# Allegro board 1156197-TDI_VU3P_QSFP28_CXP_V001_1023A-166-20241121_1644_PCB.brd (continued)
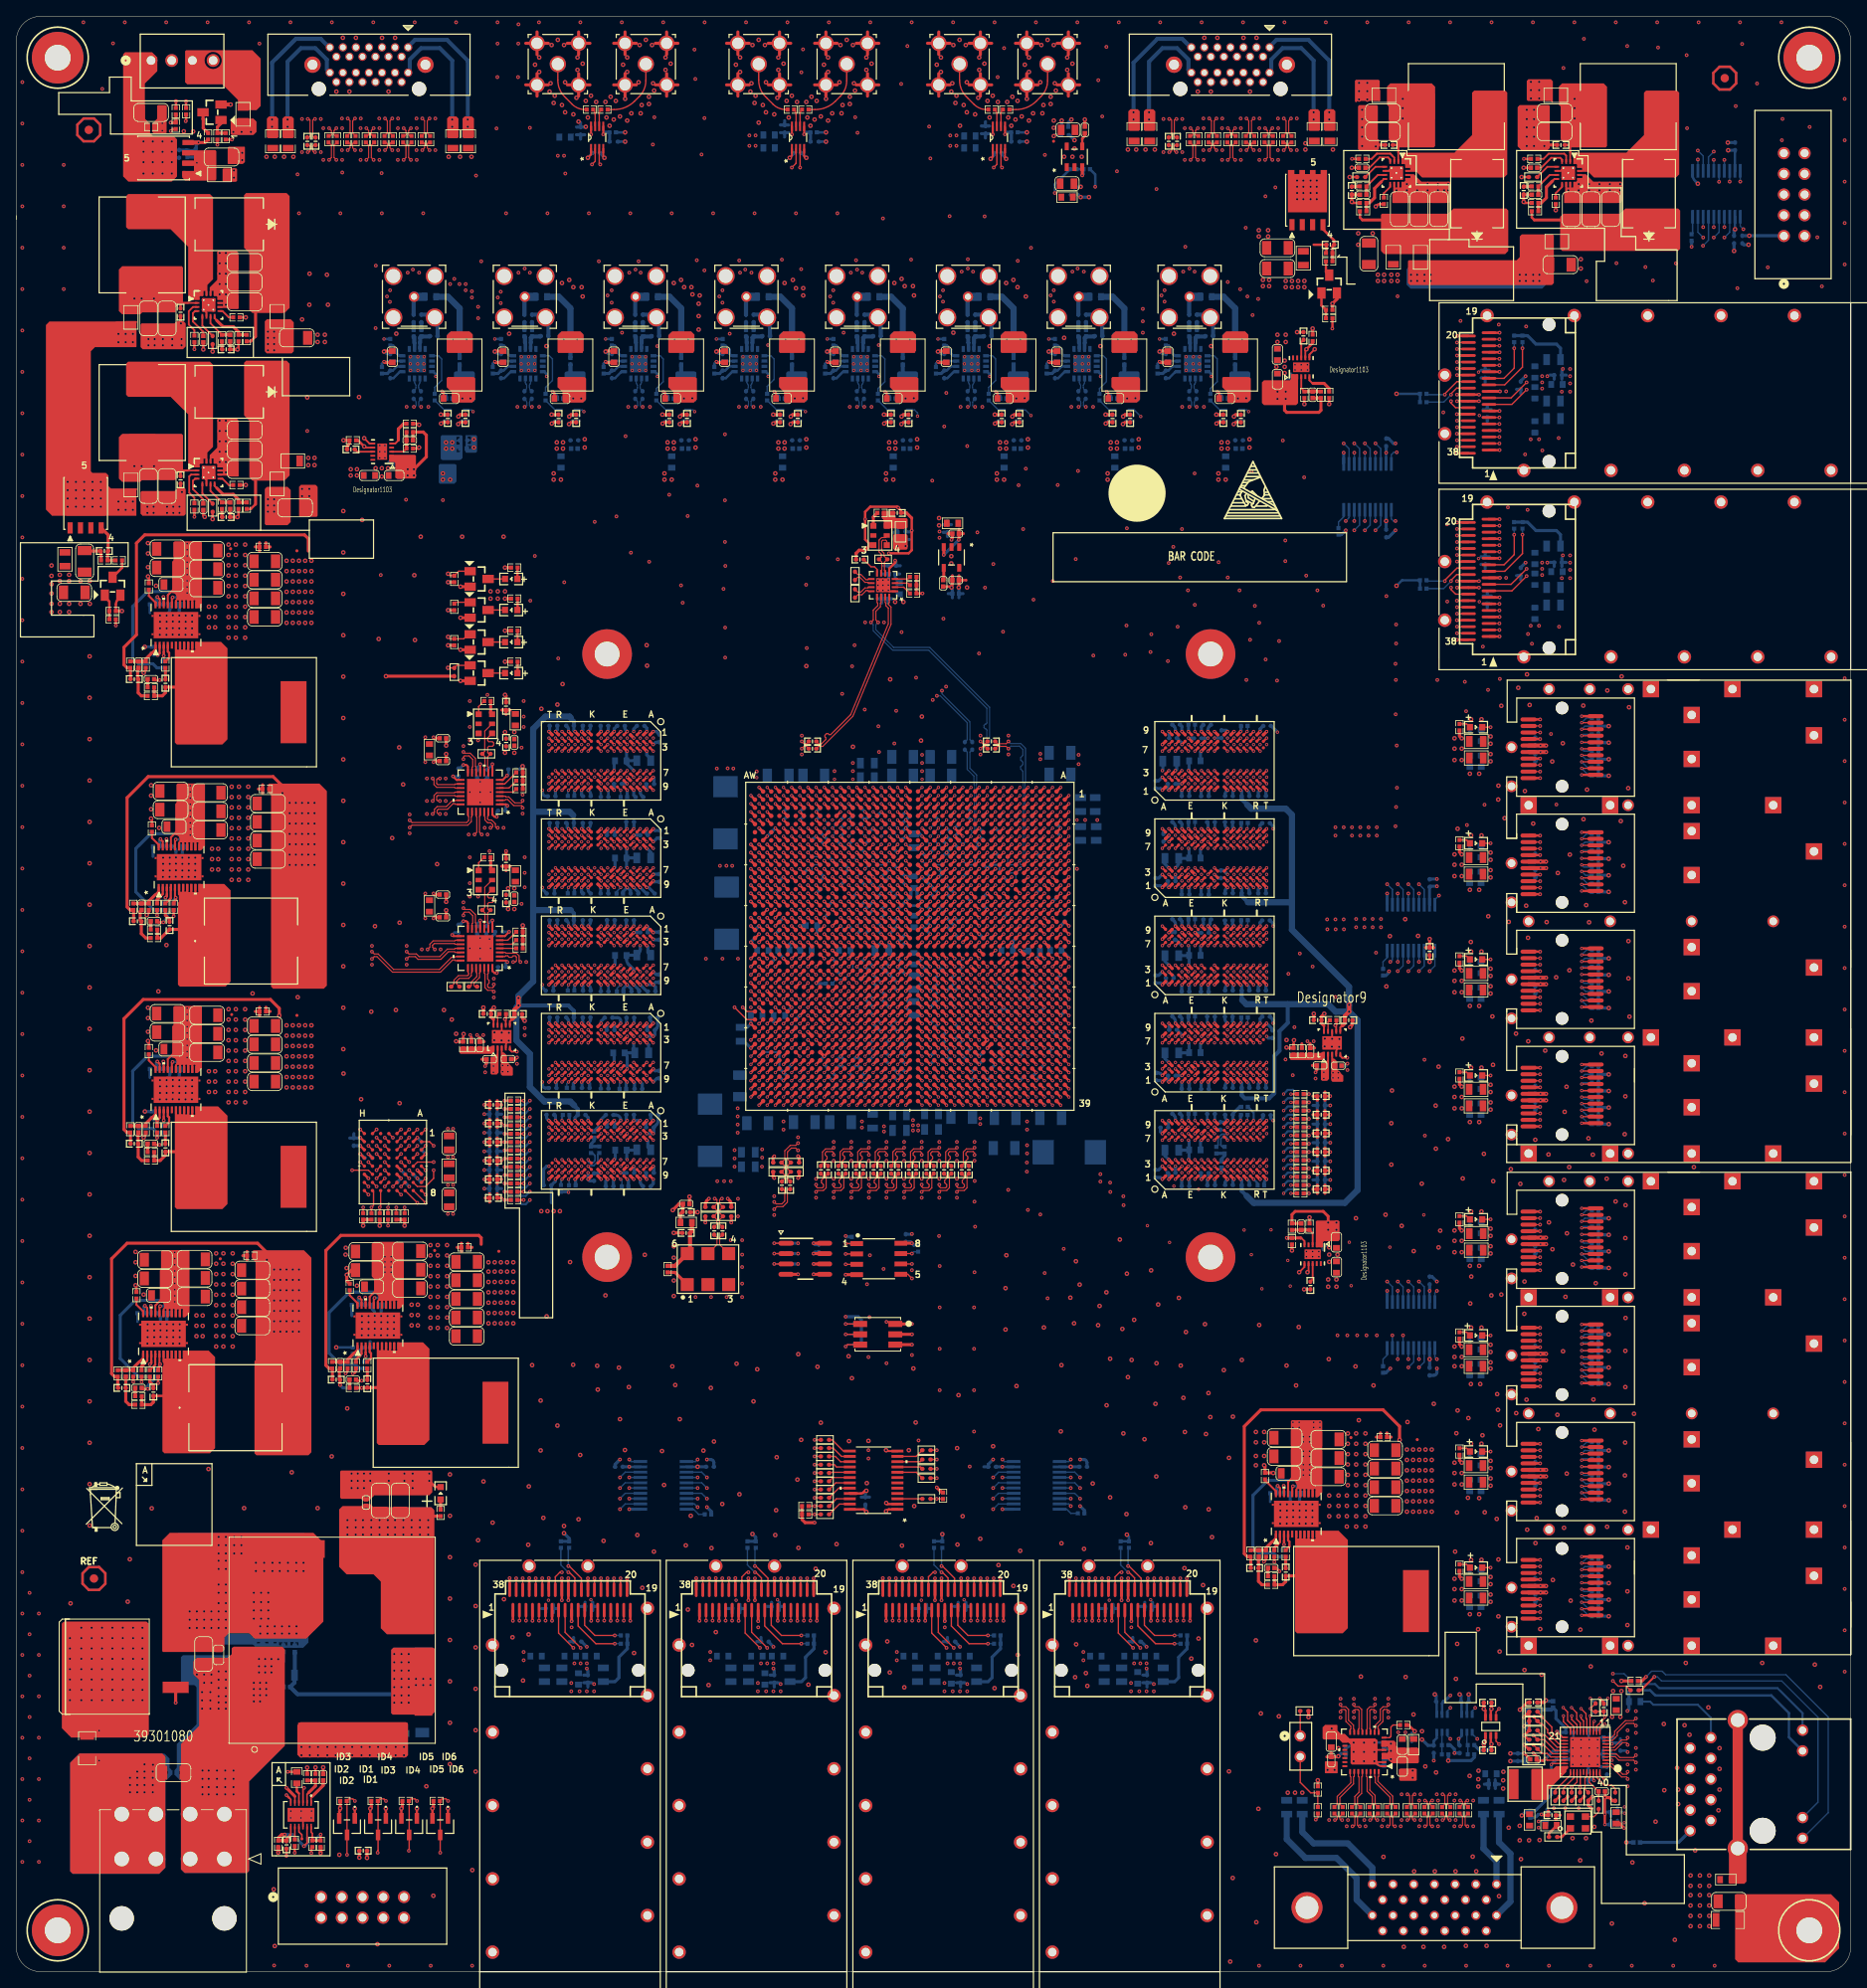
[diagram p0: board, top side]
## Routing (per net, layer and track width the routed paths; a pad name or vN(x,y) marks a point on that pad's centre or on a via; arc(x,y) is an arc through that point) (continued)
CHA_FPGA_DDR4_C2_DQS2_N: length 29.4
  TOP w0.211: U14.F3 v3(144.57,135.48) ; U1.E13 v1(125.1,133.36)
  ART03 w0.102: v1(125.1,133.36) 124.8,133.36 124.7,133.46 124.7,134.52 124.93,134.76 129.37,134.76 129.58,134.55 130,134.55 130.05,134.49 130.07,134.49
  ART03 w0.178: 130.07,134.49 130.34,134.49 130.52,134.32 130.52,134.21 130.7,134.04 131.05,134.04 131.23,134.21 131.23,134.32 131.41,134.49 132.23,134.49 132.79,135.05 132.79,135.81 132.97,135.99 133.87,135.99 134.05,135.81 134.05,134.5 134.41,134.14 135.38,134.14 135.73,134.5 135.73,136.29 135.91,136.47 144.63,136.47 144.93,136.18 144.93,135.66 144.75,135.48 v3(144.57,135.48)
CHA_FPGA_DDR4_C2_DQS2_P: length 29.6
  TOP w0.211: U14.G3 v3(145.37,135.48) ; U1.F13 v1(124.1,133.36)
  ART03 w0.102: 130.07,134.8 130.05,134.8 130,134.75 129.67,134.75 129.46,134.96 124.85,134.96 124.5,134.61 124.5,133.46 124.4,133.36 v1(124.1,133.36)
  ART03 w0.178: v3(145.37,135.48) 145.24,135.61 145.24,136.3 144.76,136.78 135.78,136.78 135.43,136.42 135.43,134.62 135.25,134.44 134.54,134.44 134.36,134.62 134.36,135.94 134,136.3 132.84,136.3 132.48,135.94 132.48,135.18 132.1,134.8 130.07,134.8
CHA_FPGA_DDR4_C2_DQS3_N: length 23.1
  TOP w0.17: U14.A7 v3(140.56,137.88)
  TOP w0.211: U1.A15 v1(129.1,131.36)
  ART07 w0.102: v1(129.1,131.36) 128.68,131.36 128.58,131.26 128.58,131.06 128.68,130.96 129.53,130.96 129.58,131.01 129.61,131.01
  ART07 w0.178: 129.61,131.01 131.16,131.01 131.49,131.34 131.49,131.93 132.33,132.77 136.55,132.77 136.72,132.94 136.72,134.16 137.08,134.52 138.05,134.52 138.41,134.16 138.41,132.94 138.58,132.77 139.34,132.77 139.57,132.99 139.57,135.89 139.96,136.28 139.96,136.74 140.24,137.01 140.69,137.01 140.89,137.21 140.89,137.7 140.71,137.88 v3(140.56,137.88)
CHA_FPGA_DDR4_C2_DQS3_P: length 23.2
  TOP w0.17: U14.B7 v3(141.36,137.88)
  TOP w0.211: U1.B15 v1(128.1,131.36)
  ART07 w0.102: v1(128.1,131.36) 128.31,131.36 128.37,131.29 128.37,130.98 128.6,130.76 129.53,130.76 129.58,130.7 129.61,130.7
  ART07 w0.178: v3(141.36,137.88) 141.2,137.71 141.2,137.08 139.88,135.76 139.88,132.87 139.47,132.46 138.46,132.46 138.1,132.82 138.1,134.03 137.92,134.21 137.21,134.21 137.03,134.03 137.03,132.82 136.67,132.46 132.46,132.46 131.8,131.8 131.8,131.21 131.29,130.7 129.61,130.7
CHA_FPGA_DDR4_C2_DQS4_N: length 39.6
  TOP w0.211: U15.F3 v3(144.57,111.6) ; U1.B21 v1(128.1,124.36)
  ART05 w0.178: v3(144.57,111.6) 144.78,111.6 144.98,111.8 144.98,112.95 144.81,113.13 144.08,113.13 143.9,112.95 143.9,112.63 143.47,112.19 142.66,112.19 142.22,112.63 142.22,112.95 142.04,113.13 140.16,113.13 139.75,113.54 139.75,116.18 136.24,119.68 136.24,124.89 136.07,125.07 135.4,125.07 135.22,124.89 135.22,122.02 134.86,121.67 133.89,121.67 133.54,122.02 133.54,124.91 133.36,125.09 132.52,125.09 131.91,124.48 130.56,124.48 129.74,125.3 129.35,125.3 129.17,125.12 129.17,124.99 128.99,124.82 128.64,124.82 128.46,124.99 128.46,125.12 128.28,125.3 127.79,125.3 127.61,125.12 127.61,124.53 127.79,124.36 v1(128.1,124.36)
CHA_FPGA_DDR4_C2_DQS4_P: length 39.5
  TOP w0.211: U1.C21 v1(127.1,124.36) ; U15.G3 v3(145.37,111.6)
  ART05 w0.178: v3(145.37,111.6) 145.29,111.68 145.29,113.08 144.93,113.44 143.95,113.44 143.59,113.08 143.59,112.75 143.34,112.5 142.78,112.5 142.53,112.75 142.53,113.08 142.17,113.44 140.28,113.44 140.06,113.67 140.06,116.31 136.55,119.81 136.55,125.02 136.19,125.37 135.27,125.37 134.91,125.02 134.91,122.15 134.73,121.97 134.02,121.97 133.84,122.15 133.84,125.04 133.49,125.4 132.39,125.4 131.78,124.79 130.68,124.79 129.87,125.6 127.66,125.6 127.3,125.25 127.3,124.56 v1(127.1,124.36)
CHA_FPGA_DDR4_C2_DQS5_N: length 34.8
  TOP w0.211: U15.A7 v3(140.56,114) ; U1.E22 v1(125.1,123.36)
  ART03 w0.102: v1(125.1,123.36) 124.8,123.36 124.7,123.26 124.7,122.06 124.8,121.96 129.58,121.96 129.63,122.01 129.66,122.01
  ART03 w0.178: 129.66,122.01 129.96,122.01 130.7,121.27 130.95,121.27 131.56,121.88 132.06,121.88 132.75,121.2 132.75,120.69 132.14,120.08 132.14,119.83 132.64,119.33 132.89,119.33 133.49,119.93 134,119.93 134.68,119.24 134.68,118.74 134.08,118.14 134.08,117.28 135.33,116.03 135.33,115.19 135.51,115.01 136.24,115.01 136.6,114.65 136.6,113.69 136.24,113.33 135.51,113.33 135.33,113.15 135.33,112.04 135.66,111.71 136.8,111.71 137.74,112.65 139.31,112.65 139.49,112.83 139.49,112.98 139.66,113.16 140.02,113.16 140.2,112.98 140.2,112.83 140.38,112.65 140.72,112.65 140.91,112.85 140.91,113.82 140.74,114 v3(140.56,114)
CHA_FPGA_DDR4_C2_DQS5_P: length 34.9
  TOP w0.211: U15.B7 v3(141.36,114) ; U1.F22 v1(124.1,123.36)
  ART03 w0.102: 129.66,121.7 129.63,121.7 129.58,121.76 124.72,121.76 124.5,121.98 124.5,123.26 124.4,123.36 v1(124.1,123.36)
  ART03 w0.178: v3(141.36,114) 141.22,113.86 141.22,112.72 140.85,112.34 137.87,112.34 136.93,111.4 135.53,111.4 135.02,111.91 135.02,113.28 135.38,113.64 136.12,113.64 136.29,113.81 136.29,114.52 136.12,114.7 135.38,114.7 135.02,115.06 135.02,115.9 133.77,117.15 133.77,118.27 134.37,118.87 134.37,119.12 133.87,119.62 133.62,119.62 133.02,119.02 132.51,119.02 131.83,119.71 131.83,120.21 132.44,120.82 132.44,121.07 131.94,121.58 131.69,121.58 131.08,120.97 130.57,120.97 129.83,121.7 129.66,121.7
CHA_FPGA_DDR4_C2_DQS6_N: length 57.7
  TOP w0.211: U1.K20 119.6,125.86 v1(120.1,126.36) ; U17.F3 v3(144.57,99.66)
  ART07 w0.102: 129.72,120.7 129.69,120.7 129.64,120.76 120.85,120.76 120.5,121.11 120.5,121.6 120.5,121.72 120.46,121.76 119.85,121.76 119.5,122.11 119.5,122.52 119.27,122.76 118.85,122.76 118.5,123.11 118.5,124.8 119.66,125.96 120,125.96 120.1,126.06 v1(120.1,126.36)
  ART07 w0.178: 129.72,120.7 133.47,120.7 133.68,120.5 133.68,119.79 133.5,119.61 131.39,119.61 130.99,119.2 130.99,118.36 131.42,117.93 133.42,117.93 133.6,117.75 133.6,117.04 133.42,116.86 132.64,116.86 132.28,116.5 132.28,106.25 138.35,100.18 144.63,100.18 144.81,100 144.81,99.84 144.63,99.66 v3(144.57,99.66)
CHA_FPGA_DDR4_C2_DQS6_P: length 57.5
  TOP w0.211: U1.K21 120.1,125.36 v1(120.1,125.36) ; U17.G3 v3(145.37,99.66)
  ART07 w0.102: v1(120.1,125.36) 120.1,125.65 120,125.76 119.74,125.76 118.7,124.71 118.7,123.19 118.94,122.96 119.35,122.96 119.7,122.61 119.7,122.19 119.94,121.96 120.54,121.96 120.7,121.8 120.7,121.68 120.7,121.19 120.93,120.96 129.64,120.96 129.69,121.01 129.72,121.01
  ART07 w0.178: v3(145.37,99.66) 145.3,99.66 145.12,99.84 145.12,100.12 144.76,100.48 138.48,100.48 132.59,106.38 132.59,116.37 132.77,116.55 133.55,116.55 133.91,116.91 133.91,117.88 133.55,118.23 131.55,118.23 131.29,118.49 131.29,119.07 131.52,119.3 133.63,119.3 133.99,119.66 133.99,120.62 133.6,121.01 129.72,121.01
CHA_FPGA_DDR4_C2_DQS7_N: length 47.7
  TOP w0.152: U1.K22 v1(120.1,123.36)
  TOP w0.211: U17.A7 v3(140.56,102.06)
  ART16 w0.102: 129.42,122.01 129.39,122.01 129.34,121.96 120.93,121.96 120.7,122.19 120.7,122.61 120.35,122.96 119.89,122.96 119.72,123.13 119.72,123.28 119.8,123.36 v1(120.1,123.36)
  ART16 w0.178: 129.42,122.01 130.11,122.01 131.18,120.94 131.18,120.28 130.26,119.37 130.26,119.12 130.77,118.61 131.02,118.61 131.93,119.53 132.44,119.53 133.12,118.85 133.12,118.34 132.21,117.42 132.21,117.17 132.71,116.67 132.96,116.67 133.88,117.58 134.38,117.58 136.17,115.8 136.17,102.44 137.14,101.46 139,101.46 139.18,101.64 139.18,101.85 139.36,102.03 139.71,102.03 139.89,101.85 139.89,101.64 140.07,101.46 140.71,101.46 140.92,101.67 140.92,101.89 140.74,102.06 v3(140.56,102.06)
CHA_FPGA_DDR4_C2_DQS7_P: length 47.7
  TOP w0.152: U1.L22 v1(119.1,123.36)
  TOP w0.211: U17.B7 v3(141.36,102.06)
  ART16 w0.102: 129.42,121.7 129.39,121.7 129.34,121.76 120.83,121.76 120.5,122.09 120.5,122.19 120.5,122.19 120.5,122.52 120.27,122.76 119.81,122.76 119.52,123.04 119.52,123.24 119.4,123.36 v1(119.1,123.36)
  ART16 w0.178: v3(141.36,102.06) 141.22,101.92 141.22,101.54 140.84,101.16 137.02,101.16 135.86,102.31 135.86,115.67 134.26,117.28 134.01,117.28 133.09,116.36 132.58,116.36 131.9,117.05 131.9,117.55 132.82,118.47 132.82,118.72 132.31,119.22 132.06,119.22 131.15,118.31 130.64,118.31 129.96,118.99 129.96,119.5 130.87,120.41 130.87,120.81 129.98,121.7 129.42,121.7
CHA_FPGA_DDR4_C2_DQS8_N: length 33.2
  TOP w0.152: U1.F7 v3(124.1,139.36)
  TOP w0.211: U16.F3 v3(144.57,147.42)
  ART12 w0.102: 123.75,145.75 123.75,145.72 123.7,145.67 123.7,139.46 123.8,139.36 v3(124.1,139.36)
  ART12 w0.178: 123.75,145.75 123.75,146.1 123.93,146.28 124.38,146.28 124.71,145.95 125.09,145.95 125.42,146.28 125.8,146.28 126.13,145.95 126.51,145.95 126.84,146.28 130.81,146.28 131.24,146.71 131.24,148.16 131.5,148.41 143.46,148.41 143.68,148.18 144.17,148.18 144.4,148.41 144.7,148.41 144.91,148.2 144.91,147.59 144.74,147.42 v3(144.57,147.42)
CHA_FPGA_DDR4_C2_DQS8_P: length 33.3
  TOP w0.152: U1.G7 v3(123.1,139.36)
  TOP w0.211: U16.G3 v3(145.37,147.42)
  ART12 w0.102: 123.45,145.75 123.45,145.72 123.5,145.67 123.5,139.46 123.4,139.36 v3(123.1,139.36)
  ART12 w0.178: 123.45,145.75 123.45,146.23 123.8,146.59 130.68,146.59 130.94,146.84 130.94,148.29 131.37,148.72 144.83,148.72 145.22,148.33 145.22,147.56 v3(145.37,147.42)
CHA_FPGA_DDR4_C2_DQS9_N: length 32
  TOP w0.211: U1.A10 v1(129.1,136.36) ; U16.A7 v3(140.56,149.82)
  ART05 w0.102: 129.94,136.2 129.93,136.2 129.87,136.14 129.56,136.14 129.38,135.97 128.71,135.97 128.58,136.09 128.58,136.26 128.68,136.36 v1(129.1,136.36)
  ART05 w0.178: v3(140.56,149.82) 140.72,149.82 140.9,149.64 140.9,149.39 140.72,149.21 140.2,149.21 139.98,149.43 139.49,149.43 139.27,149.21 138.08,149.21 134.49,145.62 134.49,144.92 134.31,144.74 133.56,144.74 133.2,144.38 133.2,143.42 133.56,143.06 134.31,143.06 134.49,142.88 134.49,142.17 134.31,141.99 133.56,141.99 133.2,141.63 133.2,140.67 133.56,140.31 134.31,140.31 134.49,140.13 134.49,139.42 134.31,139.24 133.56,139.24 133.2,138.88 133.2,137.92 133.56,137.56 134.31,137.56 134.49,137.38 134.49,136.4 134.29,136.2 129.94,136.2
CHA_FPGA_DDR4_C2_DQS9_P: length 32.3
  TOP w0.211: U16.B7 v3(141.36,149.82) ; U1.B10 v1(128.1,136.36)
  ART05 w0.102: 129.94,135.89 129.91,135.89 129.86,135.94 129.64,135.94 129.46,135.76 128.62,135.76 128.38,136.01 128.38,136.27 128.29,136.36 v1(128.1,136.36)
  ART05 w0.178: v3(141.36,149.82) 141.2,149.65 141.2,149.26 140.85,148.9 138.21,148.9 134.8,145.49 134.8,144.79 134.44,144.43 133.68,144.43 133.5,144.25 133.5,143.54 133.68,143.36 134.44,143.36 134.8,143.01 134.8,142.04 134.44,141.68 133.68,141.68 133.5,141.51 133.5,140.79 133.68,140.62 134.44,140.62 134.8,140.26 134.8,139.29 134.44,138.94 133.68,138.94 133.5,138.76 133.5,138.05 133.68,137.87 134.44,137.87 134.8,137.51 134.8,136.27 134.42,135.89 129.94,135.89
CHA_FPGA_DDR4_C2_ODT: length 139.6
  TOP w0.267: U14.K3 v3(148.56,135.48) ; U13.K3 v3(148.56,123.54) ; U17.K3 v3(148.56,99.66) ; U15.K3 v3(148.56,111.6) ; U1.E10 v1(125.1,136.36) ; U16.K3 v3(148.56,147.42)
  ART05 w0.191: v3(148.56,147.42) 148.08,147.9 148.08,153.14 147.62,153.59 142.06,153.59 141.6,154.05 141.6,156.91 141.41,157.1 141.03,157.1 140.84,156.91 140.84,153.89 140.65,153.7 140.27,153.7 140.08,153.89 140.08,156.91 139.89,157.1 139.51,157.1 139.32,156.91 139.32,153.89 139.13,153.7 138.75,153.7 138.56,153.89 138.56,156.91 138.37,157.1 137.98,157.1 137.79,156.91 137.79,153.89 137.6,153.7 137.22,153.7 137.03,153.89 137.03,156.91 136.84,157.1 134.42,157.1 133.74,156.42 133.74,156.16 133.92,155.98 133.92,155.71 133.65,155.44 133.38,155.44 133.2,155.62 132.93,155.62 129.67,152.35 129.67,147.83 127.57,145.73 127.57,141.16 127.25,140.84 126.87,140.84 126.62,140.59 126.62,140.08 126.36,139.83 125.86,139.83 125.6,139.57 125.6,139.19 125.35,138.94 124.84,138.94 124.59,138.68 124.59,136.78 125.01,136.36 v1(125.1,136.36)
  ART07 w0.165: v3(148.56,99.66) 148.96,99.26 154.76,99.26 v3(155.45,98.58)
  ART12 w0.122: v3(148.56,147.42) 148.96,147.02 148.96,143.54 148.84,143.42 148.48,143.42 148.36,143.3 148.36,143.06 148.48,142.94 148.84,142.94 148.96,142.81 148.96,142.57 148.84,142.45 148.48,142.45 148.36,142.33 148.36,142.08 148.48,141.96 148.84,141.96 148.96,141.84 148.96,141.59 148.84,141.47 148.48,141.47 148.36,141.35 148.36,141.11 148.48,140.98 148.84,140.98 148.96,140.86 148.96,135.88 v3(148.56,135.48) 148.96,135.08 148.96,131.61 148.84,131.48 148.64,131.48 148.51,131.36 148.51,131.12 148.64,131 148.84,131 148.96,130.88 148.96,130.63 148.84,130.51 148.64,130.51 148.51,130.39 148.51,130.14 148.64,130.02 148.84,130.02 148.96,129.9 148.96,129.66 148.84,129.53 148.64,129.53 148.51,129.41 148.51,129.17 148.64,129.05 148.84,129.05 148.96,128.92 148.96,123.94 v3(148.56,123.54) 148.96,123.14 148.96,119.67 148.84,119.55 148.58,119.55 148.46,119.42 148.46,119.18 148.58,119.06 148.84,119.06 148.96,118.94 148.96,118.69 148.84,118.57 148.58,118.57 148.46,118.45 148.46,118.21 148.58,118.08 148.84,118.08 148.96,117.96 148.96,117.72 148.84,117.6 148.58,117.6 148.46,117.47 148.46,117.23 148.58,117.11 148.84,117.11 148.96,116.99 148.96,112 v3(148.56,111.6) 148.96,111.2 148.96,107.73 148.84,107.61 148.58,107.61 148.46,107.49 148.46,107.24 148.58,107.12 148.84,107.12 148.96,107 148.96,106.76 148.84,106.63 148.58,106.63 148.46,106.51 148.46,106.27 148.58,106.15 148.84,106.15 148.96,106.02 148.96,105.78 148.84,105.66 148.58,105.66 148.46,105.54 148.46,105.29 148.58,105.17 148.84,105.17 148.96,105.05 148.96,100.06 v3(148.56,99.66)
  BOTTOM w0.267: R162.1 156.6,99.09 155.96,99.09 v3(155.45,98.58)
CHA_FPGA_DDR4_C2_PARITY: length 137.8
  TOP w0.267: U17.T3 v3(153.36,99.66) ; U1.N11 v1(117.1,135.36) ; U13.T3 v3(153.36,123.54) ; U14.T3 v3(153.36,135.48) ; U16.T3 v3(153.36,147.42) ; U15.T3 v3(153.36,111.6) ; v3(156.34,100.61) R167.1
  ART12 w0.122: v3(153.36,99.66) 153.76,100.06 153.76,100.27 153.89,100.39 154.01,100.39 154.15,100.54 154.15,100.76 154.03,100.88 153.89,100.88 153.76,101 153.76,101.24 153.89,101.37 154.01,101.37 154.15,101.51 154.15,101.73 154.03,101.85 153.89,101.85 153.76,101.97 153.76,102.22 153.89,102.34 154.01,102.34 154.15,102.49 154.15,102.71 154.03,102.83 153.89,102.83 153.76,102.95 153.76,103.19 153.89,103.32 154.01,103.32 154.15,103.46 154.15,103.68 154.03,103.8 153.89,103.8 153.76,103.93 153.76,111.2 v3(153.36,111.6) 153.76,112 153.76,112.21 153.89,112.33 154.01,112.33 154.15,112.48 154.15,112.69 154.03,112.82 153.89,112.82 153.76,112.94 153.76,113.18 153.89,113.3 154.01,113.3 154.15,113.45 154.15,113.67 154.03,113.79 153.89,113.79 153.76,113.91 153.76,114.16 153.89,114.28 154.01,114.28 154.15,114.43 154.15,114.64 154.03,114.77 153.89,114.77 153.76,114.89 153.76,115.13 153.89,115.25 154.01,115.25 154.15,115.4 154.15,115.62 154.03,115.74 153.89,115.74 153.76,115.86 153.76,123.14 v3(153.36,123.54) 153.76,123.94 153.76,124.14 153.89,124.27 154.01,124.27 154.15,124.41 154.15,124.63 154.03,124.75 153.89,124.75 153.76,124.88 153.76,125.12 153.89,125.24 154.01,125.24 154.15,125.39 154.15,125.61 154.03,125.73 153.89,125.73 153.76,125.85 153.76,126.09 153.89,126.22 154.01,126.22 154.15,126.36 154.15,126.58 154.03,126.7 153.89,126.7 153.76,126.83 153.76,127.07 153.89,127.19 154.01,127.19 154.15,127.34 154.15,127.56 154.03,127.68 153.89,127.68 153.76,127.8 153.76,135.08 v3(153.36,135.48) 153.76,135.88 153.76,136.08 153.89,136.2 154.23,136.2 154.36,136.33 154.36,136.57 154.23,136.69 153.89,136.69 153.76,136.81 153.76,137.06 153.89,137.18 154.23,137.18 154.36,137.3 154.36,137.55 154.23,137.67 153.89,137.67 153.76,137.79 153.76,138.03 153.89,138.15 154.23,138.15 154.36,138.28 154.36,138.52 154.23,138.64 153.89,138.64 153.76,138.76 153.76,139.01 153.89,139.13 154.23,139.13 154.36,139.25 154.36,139.5 154.23,139.62 153.89,139.62 153.76,139.74 153.76,140.56 153.92,140.72 153.92,141.07 154.15,141.3 154.15,141.56 153.92,141.79 153.92,142.05 154.15,142.27 154.15,142.53 153.95,142.74 153.95,143.05 154.15,143.25 154.15,143.51 153.92,143.74 153.92,144 154.15,144.22 154.15,144.48 153.92,144.71 153.92,144.97 154.15,145.2 154.15,145.46 153.92,145.69 153.92,145.95 154.15,146.18 154.15,146.43 153.92,146.66 153.92,146.86 v3(153.36,147.42)
  ART12 w0.165: v3(153.36,147.42) 153.67,147.72 153.67,149.48 152.96,150.19 152.96,152.48
  ART12 w0.191: v1(117.1,135.36) 116.79,135.36 116.29,135.86 115.84,135.86 115.65,136.05 115.65,136.53 115.34,136.83 114.88,136.83 114.63,137.08 114.63,140.51 114.25,140.89 113.85,140.89 113.66,141.08 113.66,145.74 114.02,146.1 114.02,153.31 119.96,159.26 141.96,159.26 143.97,157.25 148.72,157.25 152.96,153.01 152.96,152.48
  ART14 w0.191: v3(153.36,99.66) 153.55,99.85 155.09,99.85 155.32,100.08 155.8,100.08 v3(156.34,100.61)
CHA_FPGA_DDR4_C2_RAS: length 142.3
  TOP w0.267: U1.K11 v1(120.1,135.36) ; U14.L8 v3(149.36,139.48) ; U13.L8 v3(149.36,127.54) ; U15.L8 v3(149.36,115.6) ; U16.L8 v3(149.36,151.42) ; U17.L8 v3(149.36,103.66)
  ART07 w0.165: 149.76,104.67 149.76,104.06 v3(149.36,103.66)
  ART07 w0.191: 149.76,104.67 149.76,105.69 151.76,107.7 155.42,107.7 v3(155.45,107.72)
  ART12 w0.165: 148.96,152.53 148.96,151.82 v3(149.36,151.42)
  ART12 w0.191: 148.96,152.53 148.96,152.74 147.78,153.92 140.52,153.92 140.33,154.11 140.33,156.04 140.14,156.24 139.76,156.24 139.57,156.04 139.57,154.11 139.38,153.92 139,153.92 138.8,154.11 138.8,156.04 138.61,156.24 138.23,156.24 138.04,156.04 138.04,154.11 137.85,153.92 137.47,153.92 137.28,154.11 137.28,156.04 137.09,156.24 136.71,156.24 136.52,156.04 136.52,154.11 136.33,153.92 135.95,153.92 135.76,154.11 135.76,156.04 135.57,156.24 135.19,156.24 134.99,156.04 134.99,154.11 134.8,153.92 119.35,153.92 117.47,152.04 117.47,146.91 118.62,145.77 118.62,141.2 119.08,140.74 119.08,139.01 119.63,138.46 119.63,138.07 119.86,137.85 120.27,137.85 120.57,137.54 120.57,135.83 v1(120.1,135.36)
  ART16 w0.122: v3(149.36,151.42) 149.76,151.02 149.76,149.4 149.89,149.27 150.14,149.27 150.27,149.15 150.27,148.91 150.14,148.79 149.89,148.79 149.76,148.66 149.76,148.42 149.89,148.3 150.14,148.3 150.27,148.18 150.27,147.93 150.14,147.81 149.89,147.81 149.76,147.69 149.76,144.48 149.64,144.36 149.47,144.36 149.35,144.24 149.35,143.99 149.47,143.87 149.64,143.87 149.76,143.75 149.76,143.51 149.64,143.39 149.47,143.39 149.35,143.26 149.35,143.02 149.47,142.9 149.64,142.9 149.76,142.78 149.76,142.53 149.64,142.41 149.47,142.41 149.35,142.29 149.35,142.04 149.47,141.92 149.64,141.92 149.76,141.8 149.76,141.56 149.64,141.43 149.47,141.43 149.35,141.31 149.35,141.07 149.47,140.95 149.64,140.95 149.76,140.82 149.76,139.88 v3(149.36,139.48) 149.76,139.08 149.76,132.54 149.64,132.42 149.55,132.42 149.43,132.3 149.43,132.06 149.55,131.93 149.64,131.93 149.76,131.81 149.76,131.57 149.64,131.45 149.47,131.45 149.35,131.33 149.35,131.08 149.47,130.96 149.64,130.96 149.76,130.84 149.76,130.59 149.64,130.47 149.47,130.47 149.35,130.35 149.35,130.11 149.47,129.98 149.64,129.98 149.76,129.86 149.76,129.62 149.64,129.5 149.47,129.5 149.35,129.37 149.35,129.13 149.47,129.01 149.64,129.01 149.76,128.89 149.76,127.94 v3(149.36,127.54) 149.76,127.14 149.76,120.61 149.64,120.48 149.55,120.48 149.43,120.36 149.43,120.12 149.55,120 149.64,120 149.76,119.87 149.76,119.63 149.64,119.51 149.47,119.51 149.35,119.39 149.35,119.14 149.47,119.02 149.64,119.02 149.76,118.9 149.76,118.66 149.64,118.53 149.47,118.53 149.35,118.41 149.35,118.17 149.47,118.05 149.64,118.05 149.76,117.92 149.76,117.68 149.64,117.56 149.47,117.56 149.35,117.44 149.35,117.19 149.47,117.07 149.64,117.07 149.76,116.95 149.76,116 v3(149.36,115.6) 149.76,115.2 149.76,108.67 149.64,108.55 149.55,108.55 149.43,108.42 149.43,108.18 149.55,108.06 149.64,108.06 149.76,107.94 149.76,107.69 149.64,107.57 149.47,107.57 149.35,107.45 149.35,107.21 149.47,107.08 149.64,107.08 149.76,106.96 149.76,106.72 149.64,106.6 149.47,106.6 149.35,106.47 149.35,106.23 149.47,106.11 149.64,106.11 149.76,105.99 149.76,105.74 149.64,105.62 149.47,105.62 149.35,105.5 149.35,105.25 149.47,105.13 149.64,105.13 149.76,105.01 149.76,104.06 v3(149.36,103.66)
  BOTTOM w0.267: R157.1 156.6,108.23 155.96,108.23 v3(155.45,107.72)
CHA_FPGA_DDR4_C2_RESET: length 144.3
  TOP w0.267: U17.P1 v3(151.76,97.26) ; U1.H17 v1(122.1,129.36) ; U15.P1 v3(151.76,109.2) ; U16.P1 v3(151.76,145.01) ; U13.P1 v3(151.76,121.14) ; U14.P1 v3(151.76,133.08)
  ART05 w0.122: v3(151.76,145.01) 151.36,144.61 151.36,144.43 151.49,144.31 151.72,144.31 151.84,144.19 151.84,143.94 151.72,143.82 151.49,143.82 151.36,143.7 151.36,143.46 151.49,143.33 151.72,143.33 151.84,143.21 151.84,142.97 151.72,142.85 151.49,142.85 151.36,142.73 151.36,142.48 151.49,142.36 151.72,142.36 151.84,142.24 151.84,141.99 151.72,141.87 151.49,141.87 151.36,141.75 151.36,141.51 151.49,141.38 151.72,141.38 151.84,141.26 151.84,141.02 151.72,140.9 151.49,140.9 151.36,140.77 151.36,137.5 151.24,137.38 151.07,137.38 150.95,137.26 150.95,137.02 151.07,136.9 151.6,136.9 151.72,136.77 151.72,136.53 151.6,136.41 151.07,136.41 150.95,136.29 150.95,136.04 151.07,135.92 151.19,135.92 151.36,135.75 U14.P1 v3(151.76,133.08) 151.36,132.68 151.36,132.49 151.49,132.37 151.64,132.37 151.76,132.25 151.76,132.01 151.64,131.88 151.49,131.88 151.36,131.76 151.36,131.52 151.49,131.4 151.64,131.4 151.76,131.27 151.76,131.03 151.64,130.91 151.49,130.91 151.36,130.79 151.36,130.54 151.49,130.42 151.64,130.42 151.76,130.3 151.76,130.06 151.64,129.93 151.49,129.93 151.36,129.81 151.36,129.57 151.49,129.45 151.64,129.45 151.76,129.32 151.76,129.08 151.64,128.96 151.49,128.96 151.36,128.84 U13.P1 v3(151.76,121.14) 151.36,120.74 151.36,120.56 151.49,120.43 151.64,120.43 151.76,120.31 151.76,120.07 151.64,119.95 151.49,119.95 151.36,119.82 151.36,119.58 151.49,119.46 151.64,119.46 151.76,119.34 151.76,119.09 151.64,118.97 151.49,118.97 151.36,118.85 151.36,118.61 151.49,118.48 151.64,118.48 151.76,118.36 151.76,118.12 151.64,118 151.49,118 151.36,117.87 151.36,117.63 151.49,117.51 151.64,117.51 151.76,117.39 151.76,117.14 151.64,117.02 151.49,117.02 151.36,116.9 U15.P1 v3(151.76,109.2) 151.36,108.8 151.36,108.62 151.49,108.5 151.64,108.5 151.76,108.37 151.76,108.13 151.64,108.01 151.49,108.01 151.36,107.89 151.36,107.64 151.49,107.52 151.64,107.52 151.76,107.4 151.76,107.15 151.64,107.03 151.49,107.03 151.36,106.91 151.36,106.67 151.49,106.55 151.64,106.55 151.76,106.42 151.76,106.18 151.64,106.06 151.49,106.06 151.36,105.94 151.36,105.69 151.49,105.57 151.64,105.57 151.76,105.45 151.76,105.2 151.64,105.08 151.49,105.08 151.36,104.96 U17.P1 v3(151.76,97.26)
  ART07 w0.191: v1(122.1,129.36) 121.59,129.87 121.59,132.13 122.99,133.53 122.99,133.91 123.95,134.87 125.35,134.87 125.6,135.13 125.6,135.51 125.98,135.89 126.36,135.89 126.62,136.14 126.62,140.65 126.81,140.84 129.63,140.84 129.82,140.65 129.82,139.64 130.01,139.45 130.39,139.45 130.58,139.64 130.58,140.53 130.8,140.74 131.34,140.74 131.7,141.1 131.7,145.1 131.89,145.29 132.36,145.29 132.55,145.1 132.55,142.18 132.74,141.99 133.12,141.99 133.31,142.18 133.31,145.1 133.5,145.29 133.88,145.29 134.08,145.1 134.08,143.83 134.27,143.64 134.65,143.64 134.84,143.83 134.84,145.1 135.03,145.29 135.41,145.29 135.6,145.1 135.6,143.95 135.79,143.76 136.17,143.76 136.36,143.95 136.36,145.1 136.55,145.29 136.93,145.29 137.12,145.1 137.12,143.95 137.31,143.76 137.69,143.76 137.89,143.95 137.89,145.1 138.08,145.29 138.46,145.29 138.65,145.1 138.65,143.95 138.84,143.76 139.22,143.76 139.41,143.95 139.41,144.78 139.54,144.91 139.95,144.91 140.34,144.53 144.69,144.53 144.88,144.34 144.88,142.68 145.07,142.49 145.45,142.49 145.64,142.68 145.64,144.34 145.83,144.53 146.21,144.53 146.4,144.34 146.4,142.3 146.59,142.11 146.97,142.11 147.16,142.3 147.16,144.34 147.35,144.53 147.74,144.53 147.93,144.34 147.93,142.3 148.12,142.11 148.5,142.11 148.69,142.3 148.69,144.34 148.88,144.53 149.26,144.53 149.45,144.34 149.45,142.3 149.64,142.11 150.02,142.11 150.21,142.3 150.21,144.34 150.4,144.53 151.57,144.53 151.76,144.72 v3(151.76,145.01)
  BOTTOM w0.267: R137.2 152.25,96.77 v3(151.76,97.26)
CHA_FPGA_DDR4_C2_WE: length 143.4
  TOP w0.267: U1.J11 v1(121.1,135.36) ; U14.L2 v3(149.36,133.88) ; U13.L2 v3(149.36,121.94) ; R161.1 v3(156.34,95.53) ; U15.L2 v3(149.36,110) ; U16.L2 v3(149.36,145.82) ; U17.L2 v3(149.36,98.06)
  ART05 w0.122: v3(149.36,98.06) U17.L2 148.96,99.94 148.84,100.06 148.69,100.06 148.56,100.18 148.56,100.42 148.69,100.55 148.84,100.55 148.96,100.67 148.96,100.91 148.84,101.03 148.69,101.03 148.56,101.16 148.56,101.4 148.69,101.52 148.84,101.52 148.96,101.64 148.96,106.12 148.84,106.24 148.76,106.24 148.64,106.36 148.64,106.61 148.76,106.73 148.84,106.73 148.96,106.85 148.96,107.09 148.84,107.22 148.64,107.22 148.51,107.34 148.51,107.58 148.64,107.7 148.84,107.7 148.96,107.83 148.96,109.6 v3(149.36,110) U15.L2 148.96,111.87 148.84,112 148.69,112 148.56,112.12 148.56,112.36 148.69,112.48 148.84,112.48 148.96,112.61 148.96,112.85 148.84,112.97 148.69,112.97 148.56,113.09 148.56,113.34 148.69,113.46 148.84,113.46 148.96,113.58 148.96,118.06 148.84,118.18 148.76,118.18 148.64,118.3 148.64,118.54 148.76,118.67 148.84,118.67 148.96,118.79 148.96,119.03 148.84,119.15 148.64,119.15 148.51,119.28 148.51,119.52 148.64,119.64 148.84,119.64 148.96,119.76 148.96,121.54 v3(149.36,121.94) U13.L2 148.96,123.81 148.84,123.93 148.69,123.93 148.56,124.06 148.56,124.3 148.69,124.42 148.84,124.42 148.96,124.54 148.96,124.79 148.84,124.91 148.69,124.91 148.56,125.03 148.56,125.28 148.69,125.4 148.84,125.4 148.96,125.52 148.96,129.99 148.84,130.12 148.64,130.12 148.51,130.24 148.51,130.48 148.64,130.6 148.84,130.6 148.96,130.73 148.96,130.97 148.84,131.09 148.64,131.09 148.51,131.21 148.51,131.46 148.64,131.58 148.84,131.58 148.96,131.7 148.96,133.48 v3(149.36,133.88) U14.L2 148.96,135.75 148.84,135.87 148.69,135.87 148.56,135.99 148.56,136.24 148.69,136.36 148.84,136.36 148.96,136.48 148.96,136.73 148.84,136.85 148.69,136.85 148.56,136.97 148.56,137.21 148.69,137.34 148.84,137.34 148.96,137.46 148.96,140.96 148.84,141.08 148.53,141.08 148.41,141.2 148.41,141.44 148.53,141.57 148.84,141.57 148.96,141.69 148.96,141.93 148.84,142.05 148.53,142.05 148.41,142.18 148.41,142.42 148.53,142.54 148.84,142.54 148.96,142.66 148.96,142.91 148.84,143.03 148.53,143.03 148.41,143.15 148.41,143.4 148.53,143.52 148.84,143.52 148.96,143.64 148.96,143.88 148.84,144.01 148.53,144.01 148.41,144.13 148.41,144.37 148.53,144.49 148.84,144.49 148.96,144.61 148.96,145.41 v3(149.36,145.82)